# Altium PCB RGV_Control_1V21.PcbDoc (part 4 of 6)
Units mm, origin at the board's own origin, x right, y up, seen from the top; angles counter-clockwise.
Board outline 221.11 x 150.42 mm, 4 copper layers (Top Layer, GND, Power, Bottom Layer), stack 1.56 mm thick; 529 components, 871 nets, 2379 pads, 835 vias.
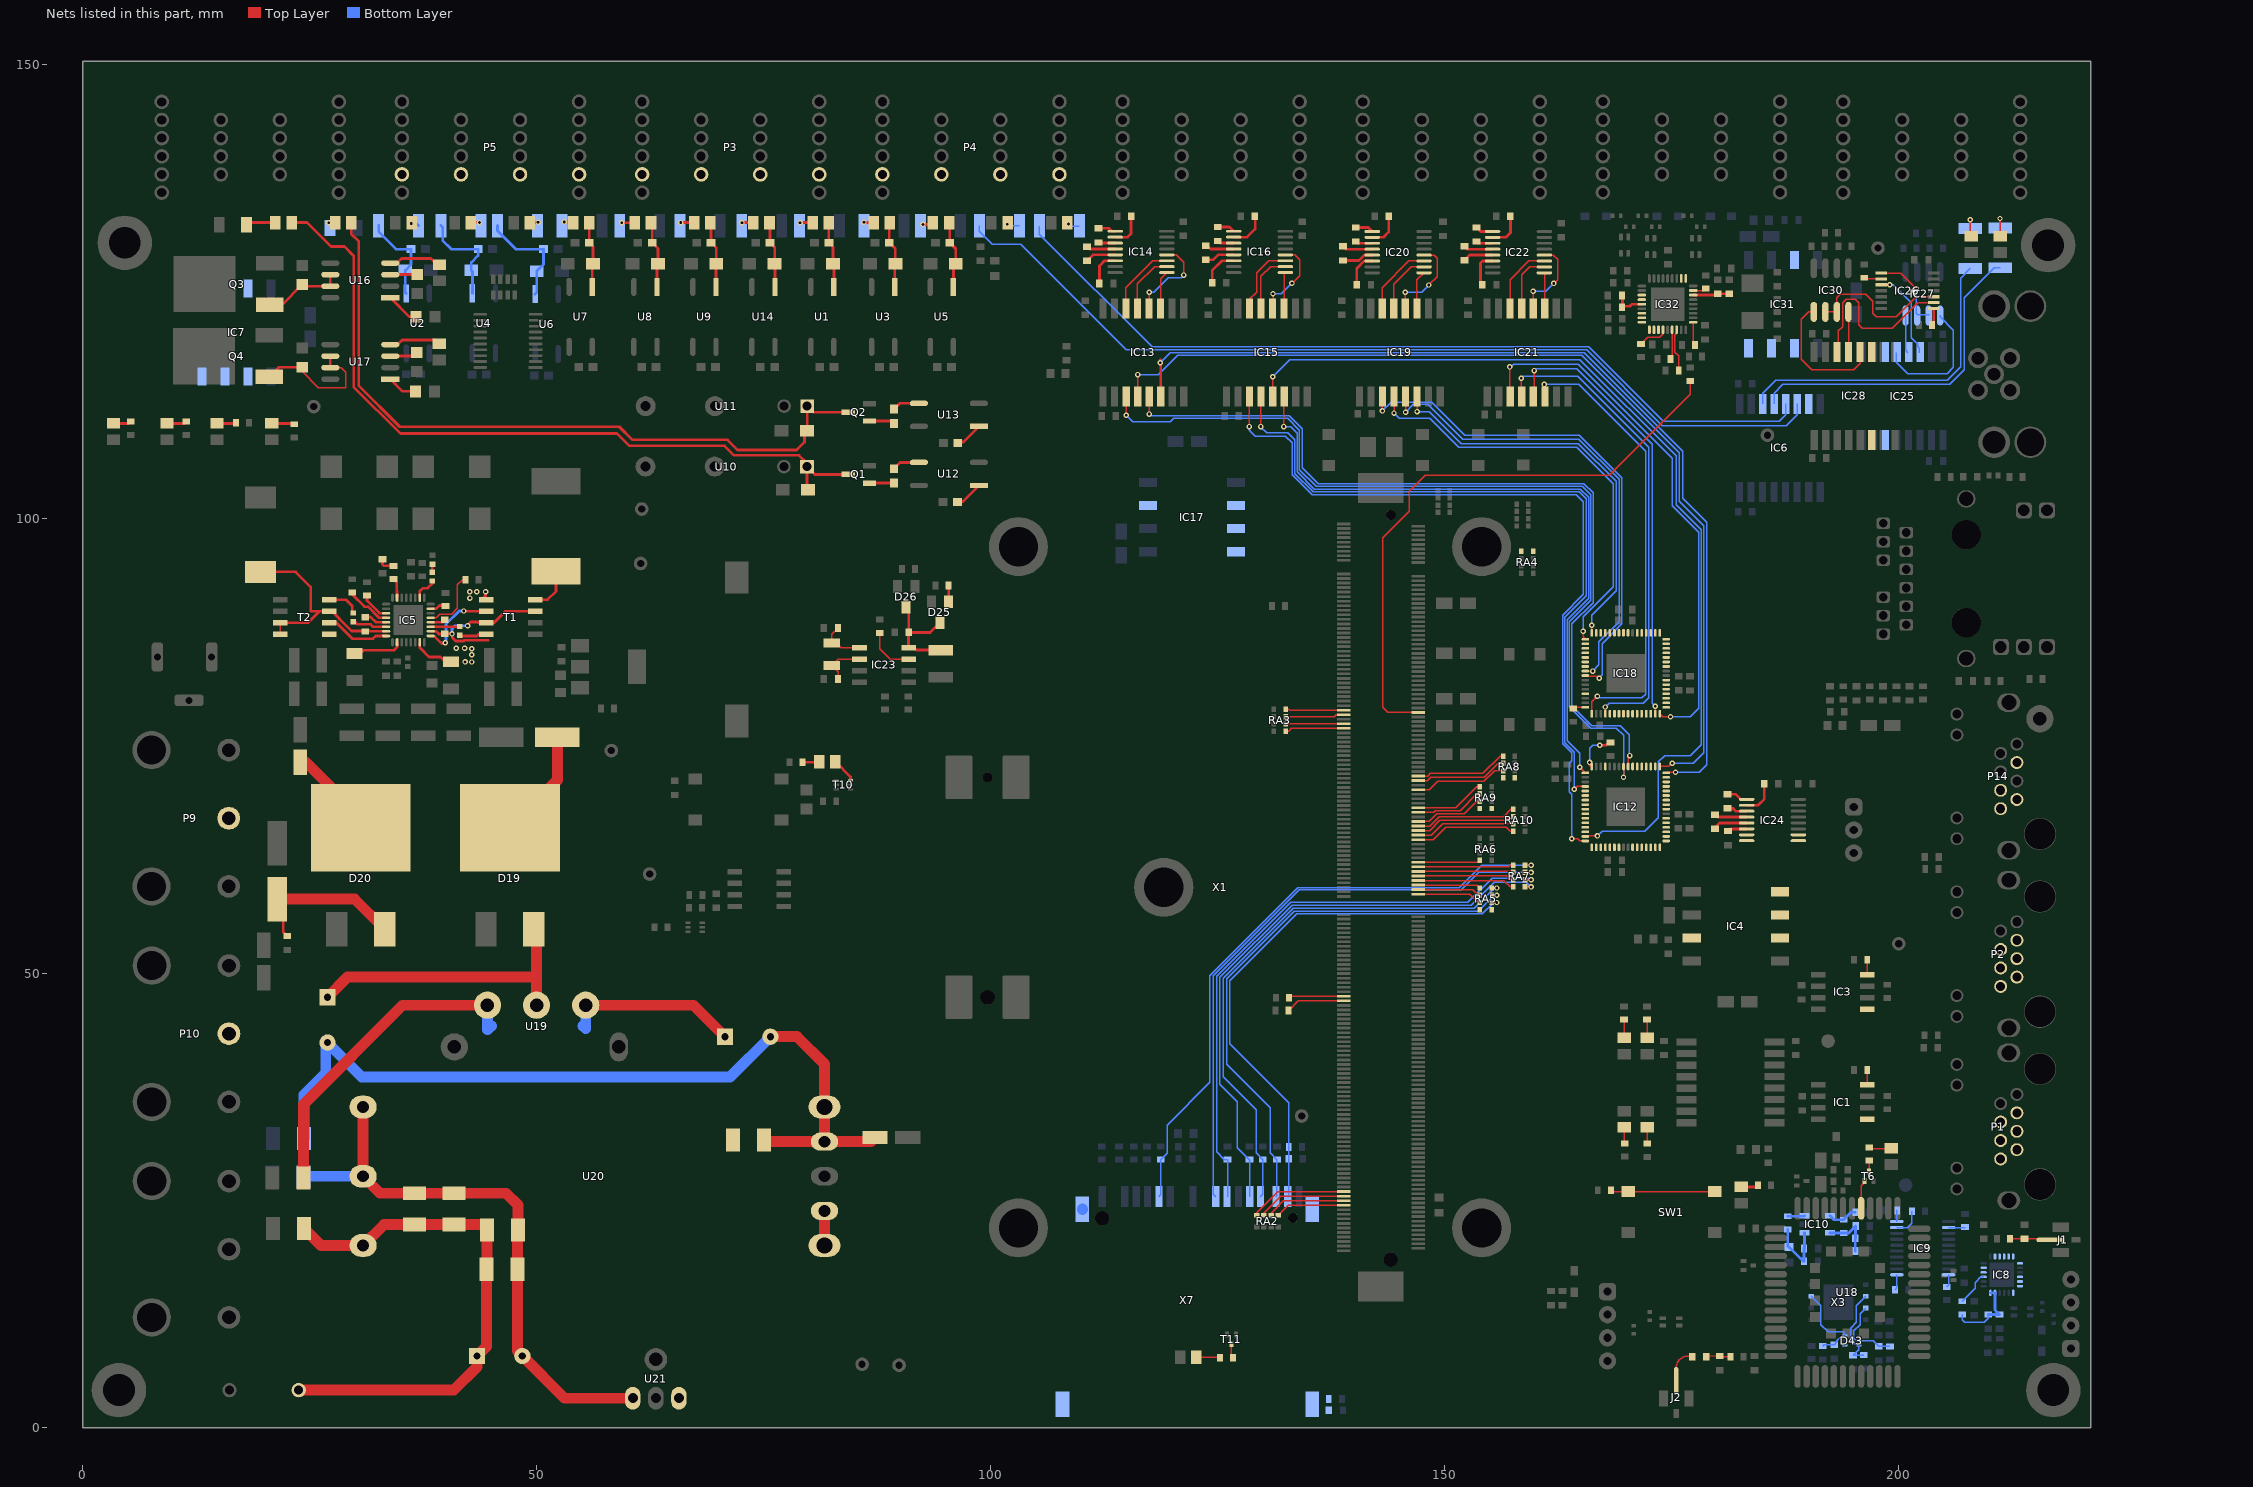
[diagram p6: the nets of this part, all layers, seen from the top]

## Via types
v1: diameter 0.6, hole 0.3, Top Layer to Bottom Layer, 778 vias
v2: diameter 0.5, hole 0.2, Top Layer to Bottom Layer, 32 vias
v3: diameter 0.6, hole 0.3, Top Layer to Bottom Layer, tented bottom, 25 vias

## Nets (pads, with @x,y where several pads share a name; then routed paths per layer and width w, separated by ;. In a path a pad name is that pad's centre, name@x,y a point inside that pad or via, vN(x,y) a via of type N, cw(c..) or ccw(c..) an arc to the next point about the centre after c; other vN are vias at no path point) (continued)
MXM3_150_M: RA6.4 X1.150 | length 6.9
  Top Layer w0.15: X1.150@147.062,62.196 153.598,62.196 RA6.4@153.848,62.446
MXM3_152: R106.1 RA7.5 X7.11 | length 67.7
  Top Layer w0.15: RA7.5@158.831,61.887 v1(159.5,61.887)
  Bottom Layer w0.15: X7.11@118.527,25.4 118.72,25.592 R106.1@118.72,29.476 119.42,30.176 119.42,33.263 124.13,37.973 124.13,49.733 133.818,59.421 151.598,59.421 154.048,61.871 156.063,61.871 156.079,61.887 v1(159.5,61.887)
MXM3_152_M: RA7.1 X1.152 | length 10.5
  Top Layer w0.15: X1.152@147.062,61.696 157.015,61.696 157.206,61.887 RA7.1@157.531,61.887
MXM3_154: RA7.6 X7.8 | length 64.8
  Top Layer w0.15: RA7.6@158.831,61.087 v1(159.5,61.087)
  Bottom Layer w0.15: X7.8@124.777,25.4 124.5,25.677 124.5,49.697 133.974,59.171 151.83,59.171 153.746,61.087 v1(159.5,61.087)
MXM3_154_M: RA7.2 X1.154 | length 10.5
  Top Layer w0.15: X1.154@147.062,61.196 157.422,61.196 RA7.2@157.531,61.087
MXM3_156: R105.1 RA7.7 X7.7 | length 64.8
  Top Layer w0.15: RA7.7@158.831,60.287 v1(159.5,60.287)
  Bottom Layer w0.15: X7.7@126.027,25.4 126.086,25.458 R105.1@126.086,29.476 125.724,29.476 124.892,30.308 124.892,49.632 133.035,57.775 152.55,57.775 155.227,60.452 159.335,60.452 v1(159.5,60.287)
MXM3_156_M: RA7.3 X1.156 | length 10.6
  Top Layer w0.15: X1.156@147.062,60.696 156.797,60.696 157.206,60.287 RA7.3@157.531,60.287
MXM3_158: R104.1 RA7.8 X7.5 | length 65
  Top Layer w0.15: RA7.8@158.831,59.487 v1(159.5,59.487)
  Bottom Layer w0.15: X7.5@128.527,25.4 128.527,29.384 127.152,30.759 127.152,35.839 125.247,37.744 125.247,49.53 133.192,57.475 152.9,57.475 155.42,59.995 158.979,59.995 159.487,59.487 v1(159.5,59.487)
MXM3_158_M: RA7.4 X1.158 | length 10.8
  Top Layer w0.15: X1.158@147.062,60.196 156.497,60.196 157.206,59.487 RA7.4@157.531,59.487
MXM3_160: R111.1 RA5.5 X7.4 | length 60.8
  Top Layer w0.15: RA5.5@155.148,59.372 v1(155.725,59.372)
  Bottom Layer w0.15: X7.4@129.707,25.4 129.972,25.664 R111.1@129.972,29.476 129.235,30.212 129.235,34.95 125.603,38.583 125.603,49.454 133.299,57.15 153.262,57.15 155.484,59.372 v1(155.725,59.372)
MXM3_160_M: RA5.1 X1.160 | length 6.9
  Top Layer w0.15: X1.160@147.062,59.696 153.524,59.696 RA5.1@153.848,59.372
MXM3_162: R110.1 RA5.6 X7.3 | length 60.4
  Top Layer w0.15: RA5.6@155.148,58.572 v1(155.725,58.572)
  Bottom Layer w0.15: X7.3@131.407,25.4 131.521,25.513 R110.1@131.521,29.476 130.759,30.238 130.759,35.204 125.984,39.98 125.984,49.378 133.431,56.825 153.7,56.825 155.447,58.572 v1(155.725,58.572)
MXM3_162_M: RA5.2 X1.162 | length 7
  Top Layer w0.15: X1.162@147.062,59.196 153.085,59.196 153.484,58.797 153.623,58.797 RA5.2@153.848,58.572
MXM3_164: C136.2 R112.1 RA5.7 X7.2 | length 60
  Top Layer w0.15: RA5.7@155.148,57.772 v1(155.725,57.772)
  Bottom Layer w0.15: X7.2@132.707,25.4 132.829,25.521 C136.2@132.829,29.563 132.825,29.567 R112.1@132.825,30.85 132.825,35.755 126.34,42.24 126.34,49.174 133.69,56.525 154.125,56.525 155.372,57.772 v1(155.725,57.772)
MXM3_164_M: RA5.3 X1.164 | length 7.2
  Top Layer w0.15: X1.164@147.062,58.696 152.759,58.696 153.458,57.997 153.623,57.997 RA5.3@153.848,57.772
MXM3_209_M: R102.1 X1.209 | length 6.1
  Top Layer w0.15: R102.1@132.856,47.295 133.007,47.446 X1.209@138.862,47.446
MXM3_211_M: R101.1 X1.211 | length 6.5
  Top Layer w0.15: R101.1@132.805,45.872 133.879,46.946 X1.211@138.862,46.946
NetC15_1: C15.1 D1.2 DI1.K U1.1 | length 7.3
  Top Layer w0.3: DI1.K@82.176,132.625 82.194,132.606 C15.1@82.194,130.404 82.652,129.946 D1.2@82.652,128.118 82.753,128.016 U1.1@82.753,125.55
NetC16_1: C16.1 D2.2 R16.2 U2.1 | length 10.2
  Bottom Layer w0.3: R16.2@32.625,132.3 32.625,131.625 34.546,129.704 C16.1@36.196,129.704 36.196,128.002 D2.2@35.561,127.367 35.561,124.926 U2.1@35.662,124.825
NetC17_1: C17.1 D3.2 DI3.K U3.1 | length 7.4
  Top Layer w0.3: DI3.K@88.901,132.625 88.849,132.573 C17.1@88.849,130.404 89.51,129.743 D3.2@89.51,128.118 89.433,128.041 U3.1@89.433,125.55
NetC18_1: C18.1 D4.2 R20.2 U4.1 | length 11.3
  Bottom Layer w0.3: R20.2@39.475,132.3 39.675,132.1 39.675,130.65 40.621,129.704 C18.1@43.588,129.704 43.588,128.988 42.826,128.226 D4.2@42.826,127.367 42.953,127.24 U4.1@42.953,124.85
NetC19_1: C19.1 D5.2 DI5.K U5.1 | length 7.5
  Top Layer w0.3: DI5.K@95.42,132.625 95.504,132.541 C19.1@95.504,130.404 96.164,129.743 D5.2@96.164,128.118 95.91,127.864 U5.1@95.91,125.55
NetC20_1: C20.1 D6.2 R24.2 U6.1 | length 11.8
  Bottom Layer w0.3: R24.2@45.7,132.3 45.7,131.725 47.721,129.704 C20.1@50.788,129.704 50.788,128.03 D6.2@50.025,127.267 50.025,124.928 U6.1@49.847,124.75
NetC21_1: C21.1 D7.2 DI7.K U7.1 | length 7.3
  Top Layer w0.3: DI7.K@55.805,132.625 55.804,132.624 C21.1@55.804,130.404 56.236,129.972 D7.2@56.236,128.092 56.134,127.991 U7.1@56.134,125.55
NetC24_1: C24.1 D8.2 DI11.K U8.1 | length 7.4
  Top Layer w0.3: DI11.K@62.612,132.625 62.738,132.499 C24.1@62.738,130.404 63.373,129.769 D8.2@63.373,128.092 63.271,127.991 U8.1@63.271,125.55
NetC25_1: C25.1 D9.2 DI13.K U9.1 | length 7.4
  Top Layer w0.3: DI13.K@69.133,132.625 69.223,132.535 C25.1@69.223,130.404 69.799,129.828 D9.2@69.799,128.118 69.765,128.084 U9.1@69.765,125.55
NetC26_1: C26.1 D12.2 DI14.K U14.1 | length 7.3
  Top Layer w0.3: DI14.K@75.655,132.625 75.709,132.571 C26.1@75.709,130.404 76.225,129.887 D12.2@76.225,128.118 76.259,128.084 U14.1@76.259,125.55
NetC32_1: C32.1 J1.1 R59.2 | length 4.5
  Top Layer w0.162: R59.2@212.225,20.75 C32.1@213.825,20.75 216.489,20.75 216.604,20.634 J1.1@216.72,20.634
NetC33_1: C33.1 J2.1 | length 3.1
  Top Layer w0.162: J2.1@175.58,5.956 cw(c176.809,6.502) C33.1@177.254,7.772
NetC33_2: C33.2 C34.2 R60.1 | length 2.6
  Top Layer w0.15: C34.2@180.264,7.847 C34.2@180.338,7.772
  Top Layer w0.162: C33.2@178.88,7.849 C34.2@180.264,7.847 ; C34.2@180.338,7.772 R60.1@181.444,7.772
NetC40_2: C40.2 D43.3 R64.2 X3.3 | length 9.7
  Bottom Layer w0.15: X3.3@190.345,14.402 191.389,13.358 191.389,11.303 192.202,10.49 193.853,10.49 193.977,10.366 193.977,10.025 193.795,10.025 193.745,9.975 193.629,9.975 193.168,9.514 193.168,9.398 192.862,9.092 C40.2@192.862,9.081 191.769,9.081 R64.2@191.618,8.929
NetC41_2: C41.2 D43.5 R62.2 X3.7 | length 8.2
  Bottom Layer w0.15: X3.7@196.345,13.132 195.732,12.519 195.732,11.293 195.048,10.609 195.048,9.786 195.209,9.625 195.457,9.625 195.557,9.525 197.153,9.525 C41.2@197.775,8.903 R62.2@199.009,8.904
NetC42_2: C42.2 D43.6 R63.2 X3.6 | length 9.1
  Bottom Layer w0.15: R63.2@196.139,7.939 C42.2@194.945,7.938 195.557,8.55 195.557,9.025 195.457,9.125 195.209,9.125 194.888,9.446 194.888,9.439 194.695,9.632 194.695,10.926 195.326,11.557 195.326,13.383 X3.6@196.345,14.402
NetC47_1: C47.1 C48.1 IC8.5 IC8.6 R72.1 | length 8.5
  Bottom Layer w0.15: R72.1@206.972,12.425 206.972,11.828 207.225,11.575 209.375,11.575 209.822,12.022 C48.1@209.822,12.413
  Bottom Layer w0.3: C48.1@209.822,12.413 C47.1@211.066,12.413 210.575,12.904 IC8.5@210.575,14.8 IC8.6@210.075,14.8
NetC49_2: C49.2 C50.2 IC10.1 L17.1 R75.1 | length 7.5
  Bottom Layer w0.3: R75.1@187.749,21.779 187.749,19.966 L17.1@187.876,19.839 189.422,18.294 189.55,18.294 C49.2@189.55,19.675 ; C49.2@189.508,19.675 189.55,19.717 189.592,19.717 IC10.1@189.592,21.402
NetC51_2: C51.2 C52.2 IC10.5 R74.1 R76.2 | length 5.9
  Bottom Layer w0.3: IC10.5@192.392,21.402 192.396,21.398 R76.2@193.913,21.398 194.473,21.398 C52.2@195.225,22.15 195.225,20.825 C51.2@195.2,20.8 195.2,19.411 R74.1@195.195,19.406
NetC53_1: C53.1 C54.1 C55.1 C57.2 C163.1 E1.2 U20.2 U20.3 U21.1 U21.3 | length 63.5
  Top Layer w1.2: U20.3@30.912,35.255 U20.2@30.912,27.635 32.779,25.768 C163.1@36.551,25.768 C54.1@40.919,25.768 46.657,25.768 47.968,24.457 C55.1@47.968,21.717 47.917,21.666 C53.1@47.917,17.399 47.917,8.38 E1.2@48.449,7.849 53.097,3.2 U21.1@60.604,3.2
  Bottom Layer w1.2: C57.2@24.371,27.534 24.473,27.635 U20.2@30.912,27.635
NetC53_2: C53.2 C54.2 C55.2 C58.2 C163.2 E1.1 F1.2 U20.1 | length 58.3
  Top Layer w1.2: F1.2@23.825,4.089 40.889,4.089 43.449,6.649 E1.1@43.449,7.849 44.488,8.888 C53.2@44.488,17.399 44.539,17.45 C55.2@44.539,21.717 43.917,22.339 C54.2@40.919,22.339 C163.2@36.551,22.339 33.236,22.339 U20.1@30.912,20.015 26.299,20.015 C58.2@24.415,21.9
NetC56_1: C56.1 E2.2 E3.2 L19.1 U20.4 U20.5 Y2.2 | length 92.3
  Top Layer w1.2: C56.1@75.07,31.623 75.248,31.445 U20.5@81.712,31.445 ; E3.2@75.754,43.002 78.689,43.002 81.712,39.98 U20.4@81.712,35.255 U20.5@81.712,31.445 ; L19.1@87.288,31.902 86.831,31.445 U20.5@81.712,31.445
  Bottom Layer w1.2: Y2.2@24.422,31.801 24.422,36.614 26.8,38.992 26.8,42.525 E2.2@26.988,42.337 ; E2.2@27.025,42.3 30.768,38.557 71.309,38.557 E3.2@75.754,43.002
NetC56_2: C56.2 E3.1 U19.1 U20.7 U20.8 Y1.1 | length 59.8
  Top Layer w1.2: Y1.1@24.346,27.432 24.346,35.546 35.266,46.466 U19.1@44.603,46.466 ; U19.1@55.423,46.466 67.29,46.466 E3.1@70.754,43.002 ; U20.8@81.712,20.015 U20.7@81.712,23.825
  Bottom Layer w1.2: U19.1@44.603,46.466 44.603,43.764 45.039,44.2 ; 55.093,44.2 55.423,43.871 U19.1@55.423,46.466
NetC66_1: C66.1 IC5.26 L20.1 T1.3 T1.7 T1.8 | length 22.2
  Top Layer w0.3: IC5.26@38.355,87.625 38.969,87.625 39.256,87.338 C66.1@39.903,87.338 ; C66.1@39.903,87.35 40.742,87.35 40.742,86.924 41.099,86.566 42.009,86.566 42.093,86.65 44.679,86.65 ; v1(42.418,88.24) 42.418,88.326 42.738,88.646 43.544,88.646 43.619,88.57 ; T1.3@43.96,88.57 T1.3@44.468,88.57 45.319,88.57 46.589,89.84 T1.7@49.36,89.84 ; T1.8@49.36,91.11 T1.8@49.868,91.11 51.232,91.11 52.146,92.024 L20.1@52.146,94.237
  Bottom Layer w0.3: v1(40.704,87.338) 40.704,87.902 41.042,88.24 v1(42.418,88.24)
NetC66_2: C66.2 IC5.28 | length 1.7
  Top Layer w0.3: IC5.28@38.355,88.625 39.694,88.625 C66.2@39.957,88.888
NetC75_2: C75.2 R38.1 | length 0.9
  Top Layer w0.3: R38.1@38.538,94.14 38.538,95.007 C75.2@38.544,95.014
NetC78_1: C78.1 IC5.15 L21.1 T2.3 T2.7 T2.8 | length 24
  Top Layer w0.15: T2.8@21.775,87.3 T2.7@21.775,88.57
  Top Layer w0.3: L21.1@19.609,94.173 23.477,94.173 25.147,92.503 25.147,89.84 26.1,89.84 ; T2.7@21.775,88.57 24.83,88.57 26.1,89.84 ; C78.1@31.344,87.655 29.642,87.655 28.325,88.972 28.325,89.015 27.5,89.84 T2.3@27.175,89.84 26.1,89.84 ; C78.1@31.587,87.655 31.618,87.625 IC5.15@33.455,87.625
NetC78_2: C78.2 IC5.13 | length 2.1
  Top Layer w0.3: C78.2@31.587,89.205 31.732,89.205 32.312,88.625 IC5.13@33.455,88.625
NetC87_2: C87.2 R43.1 | length 1.9
  Top Layer w0.3: C87.2@33.048,95.568 33.048,94.994 33.198,94.844 34.315,94.844 R43.1@34.29,94.818
NetC90_1: C90.1 IC14.3 | length 1.9
  Top Layer w0.3: C90.1@111.884,130.441 111.952,130.374 IC14.3@113.708,130.374
NetC90_2: C90.2 IC14.1 | length 2
  Top Layer w0.3: C90.2@111.884,131.991 113.032,131.991 113.35,131.674 IC14.1@113.708,131.674
NetC96_1: C96.1 IC14.5 | length 3.4
  Top Layer w0.3: C96.1@110.614,128.435 111.253,129.074 IC14.5@113.708,129.074
NetC96_2: C96.2 IC14.4 | length 3.2
  Top Layer w0.3: C96.2@110.614,129.985 110.875,129.724 IC14.4@113.708,129.724
NetC100_2: C100.2 IC14.2 | length 3.8
  Top Layer w0.3: IC14.2@113.708,131.024 115.074,131.024 115.45,131.4 C100.2@115.45,133.325
NetC101_2: C101.2 IC14.6 | length 3.9
  Top Layer w0.3: C101.2@111.975,125.925 111.975,127.868 112.531,128.424 IC14.6@113.708,128.424
NetC103_1: C103.1 IC16.3 | length 1.9
  Top Layer w0.3: C103.1@124.99,130.593 125.21,130.373 IC16.3@126.755,130.373
NetC103_2: C103.2 IC16.1 | length 2
  Top Layer w0.3: C103.2@124.99,132.143 126.285,132.143 IC16.1@126.755,131.673
NetC104_1: C104.1 IC16.5 | length 3.3
  Top Layer w0.3: C104.1@123.67,128.524 124.5,128.524 125.05,129.073 IC16.5@126.755,129.073
NetC104_2: C104.2 IC16.4 | length 3.2
  Top Layer w0.3: C104.2@123.67,130.074 123.876,130.074 124.227,129.723 IC16.4@126.755,129.723
NetC107_2: C107.2 IC16.2 | length 4.1
  Top Layer w0.3: IC16.2@126.755,131.023 128.223,131.023 129.125,131.925 C107.2@129.125,133.325
NetC108_2: C108.2 IC16.6 | length 4.1
  Top Layer w0.3: C108.2@124.393,126.009 124.393,127.343 125.473,128.423 IC16.6@126.755,128.423
NetC113_1: C113.1 IC20.3 | length 1.9
  Top Layer w0.3: C113.1@140.183,130.543 140.377,130.348 IC20.3@142.015,130.348
NetC113_2: C113.2 IC20.1 | length 2
  Top Layer w0.3: C113.2@140.183,132.093 141.57,132.093 IC20.1@142.015,131.648
NetC119_1: C119.1 IC20.5 | length 3.5
  Top Layer w0.3: C119.1@138.786,128.46 140.566,128.46 141.155,129.048 IC20.5@142.015,129.048
NetC119_2: C119.2 IC20.4 | length 3.4
  Top Layer w0.3: C119.2@138.786,130.01 139.097,129.698 IC20.4@142.015,129.698
NetC123_2: C123.2 IC20.2 | length 3.8
  Top Layer w0.3: IC20.2@142.015,130.998 143.223,130.998 143.825,131.6 C123.2@143.825,133.325
NetC124_2: C124.2 IC20.6 | length 3.8
  Top Layer w0.3: C124.2@140.322,125.781 140.322,127.597 141.123,128.398 IC20.6@142.015,128.398
NetC126_1: C126.1 IC22.3 | length 1.9
  Top Layer w0.3: C126.1@153.492,130.543 153.687,130.348 IC22.3@155.265,130.348
NetC126_2: C126.2 IC22.1 | length 2
  Top Layer w0.3: C126.2@153.492,132.093 153.937,131.648 IC22.1@155.265,131.648
NetC127_1: C127.1 IC22.5 | length 3.3
  Top Layer w0.3: C127.1@152.171,128.486 152.734,129.048 IC22.5@155.265,129.048
NetC127_2: C127.2 IC22.4 | length 3.2
  Top Layer w0.3: C127.2@152.171,130.036 152.509,129.698 IC22.4@155.265,129.698
NetC130_2: C130.2 IC22.2 | length 4
  Top Layer w0.3: IC22.2@155.265,130.998 156.714,130.998 157.225,131.509 C130.2@157.225,133.325
NetC131_2: C131.2 IC22.6 | length 3.9
  Top Layer w0.3: C131.2@154.14,125.781 153.925,125.995 153.925,128.167 154.156,128.398 IC22.6@155.265,128.398
NetC132_2: C132.2 C133.2 D25.3 D26.3 IC23.8 | length 12.1
  Top Layer w0.15: D26.3@90.703,90.265 D26.3@90.996,89.972 ; C133.2@90.965,87.498 C133.2@90.996,87.528
  Top Layer w0.3: C133.2@90.996,87.528 D26.3@90.996,89.972 ; D25.3@94.427,88.581 93.343,87.498 90.965,87.498 IC23.8@90.965,85.827 91.575,85.827 91.84,85.561 C132.2@94.499,85.561
NetC138_1: C138.1 IC24.3 | length 2.2
  Top Layer w0.3: C138.1@181.127,68.148 181.7,68.148 182.02,67.828 IC24.3@183.23,67.828
NetC138_2: C138.2 IC24.1 | length 2.3
  Top Layer w0.3: C138.2@181.127,69.698 182.025,69.698 182.595,69.128 IC24.1@183.23,69.128
NetC139_1: C139.1 IC24.5 | length 4
  Top Layer w0.3: C139.1@179.756,65.9 179.625,65.9 180.253,66.528 IC24.5@183.23,66.528
NetC139_2: C139.2 IC24.4 | length 3.6
  Top Layer w0.3: C139.2@179.756,67.45 180.028,67.178 IC24.4@183.23,67.178
NetC140_2: C140.2 IC24.2 | length 3.9
  Top Layer w0.3: IC24.2@183.23,68.478 184.478,68.478 185.175,69.175 C140.2@185.175,70.85
NetC141_2: C141.2 IC24.6 | length 2.1
  Top Layer w0.3: C141.2@181.178,65.647 181.409,65.878 IC24.6@183.23,65.878
NetC158_2: C158.2 C159.2 IC32.14 | length 3.4
  Top Layer w0.3: C158.2@169.354,124.601 169.57,124.385 C159.2@169.57,123.423 ; C159.2@169.616,123.415 170.365,123.415 170.6,123.65 IC32.14@171.7,123.65
NetC161_2: C161.2 C162.2 IC32.34 | length 4
  Top Layer w0.3: IC32.34@177.35,124.65 179.912,124.65 C161.2@180.061,124.799 C162.2@181.331,124.799
NetC164_2: C164.2 D20.3 FU2.2 | length 17.7
  Top Layer w0.3: FU2.2@21.463,58.139 22.125,57.477 22.125,54.52 C164.2@22.555,54.09
  Top Layer w1.2: FU2.2@21.463,58.139 29.999,58.139 D20.3@33.297,54.842
NetC166_2: C166.2 R135.2 X7.S1 X7.S2 X7.S3 X7.S4 | length 0.1
  Bottom Layer w1.2: X7.S3@110.097,23.97 X7.S3@110.097,24.025
NetC177_1: C177.1 IC23.1 OSC1.2 | length 5.2
  Top Layer w0.15: C177.1@83.198,87.986 82.525,87.312 OSC1.2@82.525,86.365 82.84,86.05 83.35,86.05 83.573,85.827 IC23.1@85.565,85.827
NetC178_1: C178.1 IC23.2 OSC1.1 | length 5.1
  Top Layer w0.15: C178.1@83.198,82.372 83.198,83.192 OSC1.1@82.525,83.865 83.216,84.557 IC23.2@85.565,84.557
NetD10_1: D10.1 LED5.K Q1.1 U10.1 | length 84
  Top Layer w0.3: LED5.K@23.039,132.625 24.75,132.625 27.375,130 28.85,130 29.875,128.975 29.875,114.55 35.027,109.398 58.877,109.398 60.223,108.052 70.698,108.052 71.75,107 78.925,107 79.781,106.144 U10.1@79.781,105.766 ; D10.1@79.908,103.226 79.781,103.353 U10.1@79.781,105.766 ; Q1.1@84.321,104.902 80.645,104.902 U10.1@79.781,105.766
NetD11_1: D11.1 LED6.K Q2.1 U11.1 | length 79.5
  Top Layer w0.3: LED6.K@29.61,132.625 29.61,131.389 30.45,130.548 30.45,114.65 34.95,110.15 59.116,110.15 60.554,108.712 71.044,108.712 72.156,107.6 78.65,107.6 79.5,108.45 79.5,109.421 D11.1@79.781,109.703 79.807,109.728 U11.1@79.807,112.42 80.493,111.735 Q2.1@84.321,111.735
NetD19_2: D19.2 FU1.1 | length 12.1
  Top Layer w1.2: D19.2@47.066,66.012 52.3,71.246 FU1.1@52.3,75.946
NetD19_3: D19.3 E2.1 U19.2 | length 32.4
  Top Layer w1.2: E2.1@27,47.35 29.205,49.555 50.013,49.555 ; D19.3@49.706,54.842 50.013,54.535 50.013,49.555 ; U19.2@50.013,46.466 50.013,49.555
NetD20_2: D20.2 L6.1 | length 9.7
  Top Layer w1.2: L6.1@24.638,73.216 30.657,67.197 D20.2@30.657,66.012
NetD21_A: D21.A R78.2 | length 2.2
  Top Layer w0.3: D21.A@9.322,110.517 11.266,110.517 R78.2@11.455,110.707
NetD22_A: D22.A R79.2 | length 2.5
  Top Layer w0.3: D22.A@20.856,110.517 23.253,110.517 R79.2@23.343,110.428
NetD23_A: D23.A R80.2 | length 2.1
  Top Layer w0.3: D23.A@14.832,110.517 16.828,110.517 R80.2@16.903,110.592
NetD24_A: D24.A R81.2 | length 1.7
  Top Layer w0.3: D24.A@3.429,110.517 R81.2@5.1,110.517
NetD25_1: D25.1 R96.1 | length 1.8
  Top Layer w0.3: R96.1@95.365,92.685 95.377,92.673 D25.1@95.377,90.881
NetD43_1: D43.1
NetDI1_A: DI1.A R15.2 | length 1.4
  Top Layer w0.3: v1(79.025,132.6) 79.05,132.625 DI1.A@80.396,132.625
NetDI2_K: DI2.K R16.1 | length 0.9
  Bottom Layer w0.3: v1(36.225,132.525) 36.8,132.525 R16.1@37.025,132.3
NetDI3_A: DI3.A R19.2 | length 1.1
  Top Layer w0.3: v1(86.05,132.65) 86.075,132.625 DI3.A@87.121,132.625
NetDI4_K: DI4.K R20.1 | length 1
  Top Layer w0.3: DI4.K@42.766,132.625 v1(43.725,132.625)
NetDI5_A: DI5.A R23.2 | length 1.2
  Top Layer w0.3: v1(92.546,132.425) 93.44,132.425 DI5.A@93.64,132.625
NetDI6_K: DI6.K R24.1 | length 0.9
  Top Layer w0.3: DI6.K@49.285,132.625 50.125,132.625 v1(50.175,132.675)
NetDI7_A: DI7.A R27.2 | length 1
  Top Layer w0.3: v1(53.05,132.7) 53.95,132.7 DI7.A@54.025,132.625
NetDI8_K: DI8.K R136.2 | length 1.4
  Bottom Layer w0.15: v1(101.825,132.45) 102,132.275 R136.2@103.175,132.275
NetDI9_K: DI9.K R137.2 | length 1.3
  Bottom Layer w0.15: v1(108.575,132.475) 108.825,132.225 109.75,132.225 R137.2@109.775,132.25
NetDI10_K: DI10.K R138.2 | length 3
  Top Layer w0.15: v1(211.125,133.075) 211.125,131.14 DI10.K@211.15,131.115
  Bottom Layer w0.15: v1(211.125,133.075) 211.15,133.05 R138.2@211.15,132.05
NetDI11_A: DI11.A R29.2 | length 1.4
  Top Layer w0.3: v1(59.4,132.6) 60.807,132.6 DI11.A@60.832,132.625